# Allegro board MB1219_REVB_160112.brd (continued)
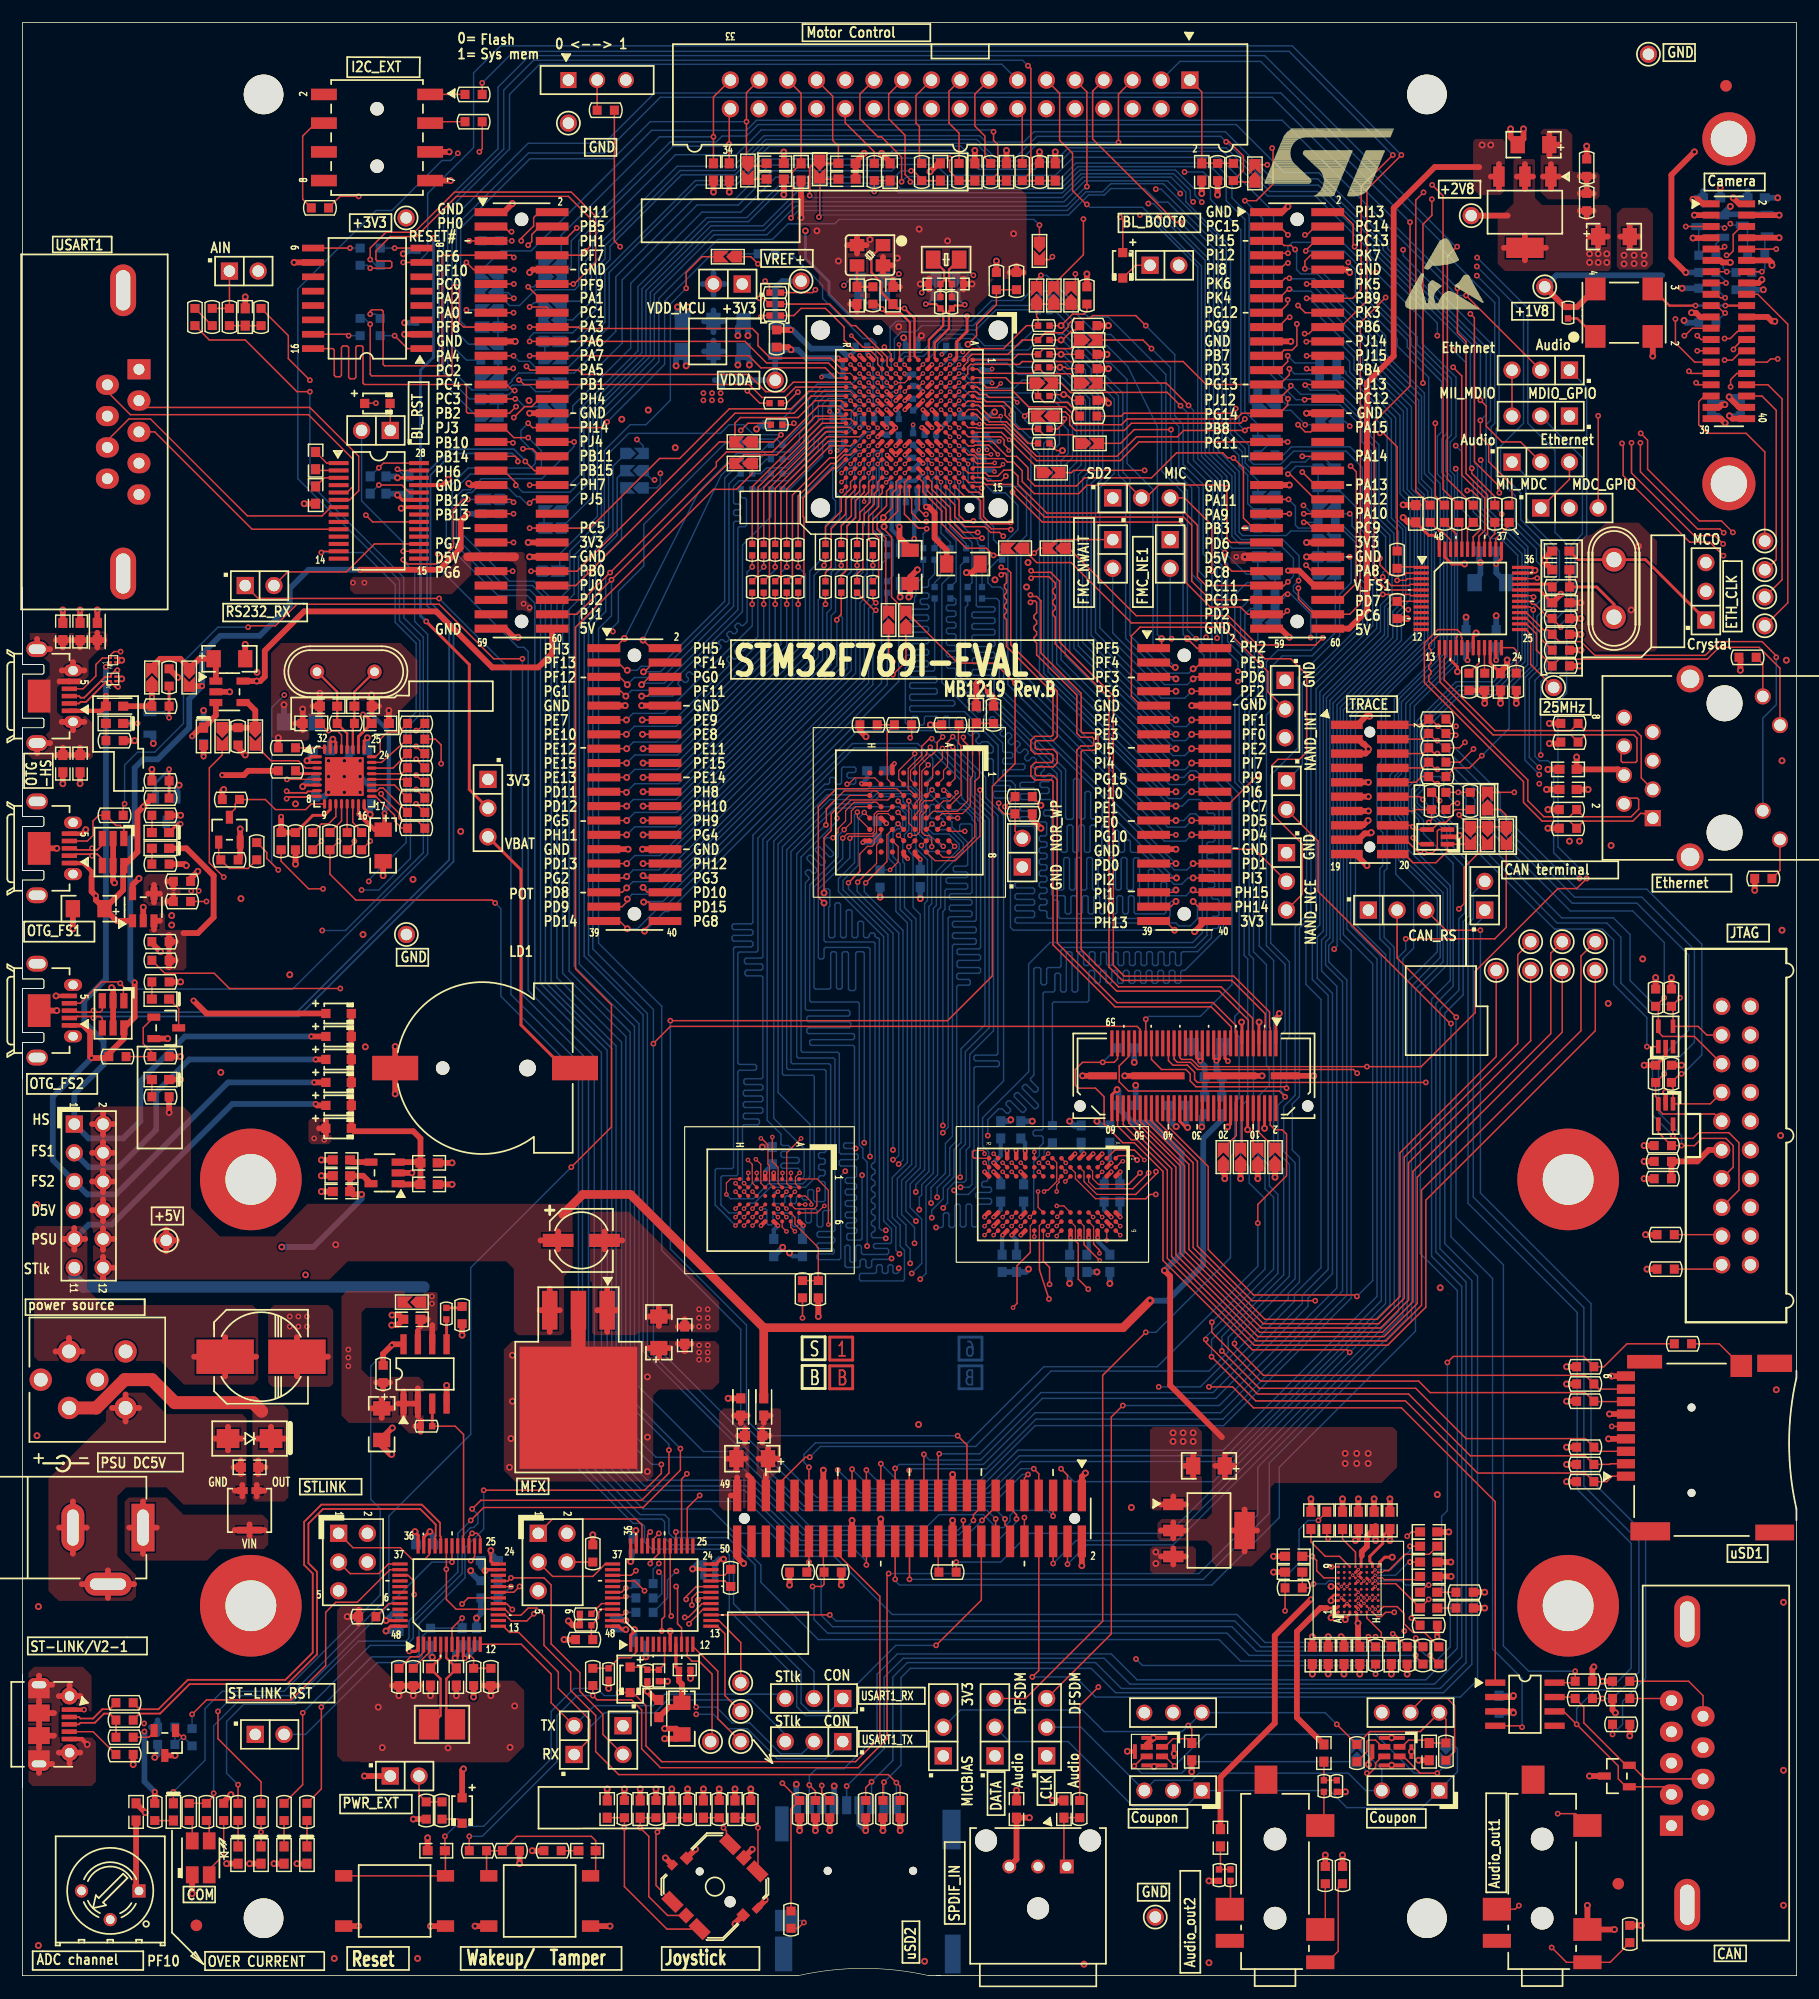
[diagram p0: board, top side]
## Placement (name value [footprint] x y rotation side) (continued)
D13  ZEN056V130A24LS  [TYCO_ZEN056V130A24LS]  20.07 41.15 90 top
D14  BAT60JFILM  [SOD-323]  53.72 26.16 270 top
D15  ESDCAN24-2BLY  [SOT-23]  140.97 17.65 90 top
D16  BAT60JFILM  [SOD-323]  38.86 14.61 270 top
H1  POSITION HOLE  [HOLE_C9D4R5]  20.18 70.42 0 top
H2  POSITION HOLE  [HOLE_C9D4R5]  136.66 70.42 0 top
H3  POSITION HOLE  [HOLE_C9D4R5]  20.18 32.71 0 top
H4  POSITION HOLE  [HOLE_C9D4R5]  136.66 32.71 0 top
JP1  -  [SIP2]  99.69 151.26 0 top
JP2  -  [SIP2]  63.63 149.61 180 top
JP3  -  [SIP3]  136.78 141.99 180 top
JP4  -  [SIP3]  136.78 137.92 180 top
JP5  -  [SIP2]  32.51 136.65 180 top
JP6  -  [SIP3]  131.7 133.86 0 top
JP7  -  [SIP3]  96.39 130.68 0 top
JP8  -  [SIP3]  134.24 129.79 0 top
JP9  -  [SIP2]  96.39 127 270 top
JP10  -  [SIP2]  101.47 127 270 top
JP11  -  [SIP2]  19.68 122.94 0 top
JP12  -  [SIP3]  148.84 119.89 90 top
JP13  -  [SIP3]  111.63 114.55 270 top
JP14  -  [SIP2]  111.76 105.66 270 top
JP15  -  [SIP3]  41.15 105.79 270 top
JP16  -  [SIP2]  88.39 98.04 90 top
JP17  -  [SIP3]  111.76 99.31 270 top
JP18  -  [SIP2]  129.29 94.23 90 top
JP19  -  [SIP3]  119 94.23 0 top
JP20  Header 6X2  [HDR_2X6_2R54]  4.57 75.31 270 top
JP21  -  [SIP3]  72.52 24.51 180 top
JP22  -  [SIP3]  81.41 19.43 90 top
JP23  -  [SIP3]  85.98 19.43 90 top
JP24  -  [SIP3]  90.55 19.43 90 top
JP25  [N_A]  [SIP2]  53.09 22.1 270 top
JP26  -  [SIP3]  72.52 20.7 180 top
JP27  -  [SIP2]  32.51 17.65 0 top
JP28  -  [SIP2]  20.57 21.34 0 top
L1  EXC-3BP121H[BEAD]  [0603L]  6.6 118.87 270 top
L2  EXC-3BP121H[BEAD]  [0603L]  8.13 112.27 180 top
L3  BNX002-01  [BNX001]  6.6 52.7 180 top
L4  BEAD(FCM1608KF-601T03)  [0603L]  63.5 50.29 270 top
L5  BEAD(FCM1608KF-601T03)  [0603L]  65.53 50.29 270 top
L6  Ferrite  [0603L]  56.26 23.62 270 top
L7  BEAD(FCM1608KF-601T03)  [0603L]  62.61 141.1 0 bottom
L8  BEAD(FCM1608KF-601T03)  [0603L]  106.05 76.96 90 bottom
L9  BEAD(FCM1608KF-601T03)  [0603L]  104.52 76.96 90 bottom
LD1  Green  [0603D]  25.15 10.67 90 top
LD2  Orange  [0603D]  23.11 10.67 90 top
LD3  Red  [0603D]  21.08 10.67 90 top
LD4  Blue  [0603D]  19.05 10.67 90 top
LD5  Green  [0603D]  8.13 110.74 0 top
LD6  Red  [0603D]  16 109.6 90 top
LD7  Green  [0603D]  12.19 101.09 0 top
LD8  Red  [0603D]  12.19 99.69 0 top
LD9  Green  [0603D]  12.19 86.36 0 top
LD10  red  [0603D]  12.19 79.25 0 top
LD11  Red  [0603D]  13.34 14.48 90 top
LD12  HSMF-A201-A00J1  [LED2_3528]  15.75 10.41 0 top
NOREF  -  []  72.13 54.69 0 top
NOREF#2  -  []  0 0 0 top
NOREF#3  -  []  322.2 176.15 0 top
NOREF#4  -  []  283.34 118.87 0 top
NOREF#5  -  [unnamed#2]  141.1 8.13 0 top
NOREF#6  -  [unnamed#3]  21.31 166.37 0 top
NOREF#7  -  []  12.32 228.5 0 top
NOREF#8  -  [unnamed#2]  15.37 4.45 0 top
NOREF#9  -  [unnamed#3]  21.31 5.08 0 top
NOREF#10  -  [unnamed#3]  124.18 166.37 0 top
NOREF#11  -  [unnamed#3]  124.18 5.08 0 top
NOREF#12  -  []  13.59 -41.66 0 top
NOREF#13  -  []  72.13 52.15 0 top
NOREF#14  -  []  450.6 -120.4 0 top
NOREF#15  -  [unnamed#2]  150.62 167.13 0 top
NOREF#16  -  [unnamed#2]  141.1 8.13 180 bottom
NOREF#17  -  [unnamed#2]  15.37 4.45 180 bottom
NOREF#18  -  [unnamed#2]  150.62 167.13 180 bottom
R3  0  [0603R]  39.88 166.37 180 top
R4  10K  [0603R]  51.56 164.97 180 top
R5  0  [0603R]  39.88 163.96 180 top
R6  150  [0603R]  138.3 159.89 90 top
R7  0  [0603R]  75.31 159.51 270 top
R8  0  [0603R]  79.5 159.51 90 top
R9  0  [0603R]  82.8 159.51 90 top
R10  0  [0603R]  85.6 159.51 90 top
R11  0  [0603R]  88.39 159.51 270 top
R12  100K  [0603R]  89.92 159.51 90 top
R13  3K3  [0603R]  105.66 159.51 270 top
R14  [N_A]  [0603R]  107.06 159.51 270 top
R15  120  [0603R]  138.3 156.84 90 top
R16  0  [0603R]  26.29 156.34 0 top
R17  10K  [0603R]  86.11 149.86 90 top
R18  [N_A]  [0603R]  87.88 149.86 90 top
R19  33  [0402R]  66.55 148.84 180 top
R20  0  [0603R]  75.18 148.59 90 top
R21  220K  [0603R]  94.11 148.59 270 top
R22  0  [0402R]  81.15 147.96 270 top
R23  0  [0402R]  82.17 147.96 270 top
R24  33  [0402R]  66.55 147.83 180 top
R25  10K  [0402R]  136.65 147.07 90 top
R26  33  [0402R]  66.55 146.81 180 top
R27  0  [0603R]  15.24 146.69 270 top
R28  47  [0603R]  16.76 146.69 270 top
R29  0  [0603R]  18.29 146.69 90 top
R30  0  [0603R]  21.08 146.69 90 top
R31  33  [0402R]  90.3 145.92 0 top
R32  220K  [0603R]  94.23 145.92 180 top
R33  0  [0603R]  66.67 144.78 90 top
R34  33  [0402R]  90.3 144.65 0 top
R35  33  [0402R]  90.3 143.38 0 top
R36  220K  [0603R]  94.23 143.38 180 top
R37  33  [0402R]  90.3 142.24 0 top
R38  220K  [0603R]  94.23 142.11 180 top
R39  33[N_A]  [0402R]  90.3 139.7 0 top
R40  220K  [0603R]  94.23 139.32 180 top
R41  33  [0402R]  66.55 139.06 180 top
R42  33  [0603R]  94.23 137.92 180 top
R43  33  [0402R]  66.67 137.16 180 top
R44  33  [0402R]  90.3 136.78 0 top
R45  33  [0402R]  90.3 135.51 0 top
R46  33  [0603R]  124.46 129.29 90 top
R47  33  [0603R]  125.73 129.29 90 top
R48  33  [0603R]  127 129.29 90 top
R49  33  [0603R]  128.27 129.29 90 top
R50  33  [0603R]  130.18 129.29 90 top
R51  33  [0603R]  131.44 129.29 90 top
R52  33  [0402R]  64.52 126.11 270 top
R53  33  [0402R]  65.53 126.11 270 top
R54  33  [0402R]  66.55 126.11 270 top
R55  33  [0402R]  67.56 126.11 270 top
R56  33  [0402R]  68.58 126.11 270 top
R57  33  [0402R]  70.99 126.11 90 top
R58  33  [0402R]  72.39 126.11 90 top
R59  33  [0402R]  73.79 126.11 90 top
R60  33  [0402R]  75.18 126.11 270 top
R61  33  [0603R]  121.54 125.22 90 top
R62  33  [0402R]  64.52 122.81 270 top
R63  33  [0402R]  65.53 122.81 270 top
R64  33  [0402R]  66.55 122.81 270 top
R65  33  [0402R]  67.56 122.81 270 top
R66  33  [0402R]  68.58 122.81 270 top
R67  33  [0402R]  70.99 122.81 90 top
R68  33  [0402R]  72.39 122.81 90 top
R69  33  [0402R]  73.79 122.81 270 top
R70  33  [0402R]  75.18 122.81 270 top
R71  0  [0603R]  136.02 122.81 0 top
R72  10K  [0603R]  121.54 120.78 90 top
R73  1K5  [0603R]  136.02 120.02 0 top
R74  2K2  [0603R]  136.02 118.62 0 top
R75  2K2  [0603R]  136.02 117.22 0 top
R76  240  [0603R]  152.53 116.59 180 top
R77  2K2  [0603R]  136.02 115.82 0 top
R78  22K  [0603R]  12.95 114.81 270 top
R79  2K2  [0603R]  127.89 114.43 270 top
R80  2K2  [0603R]  129.29 114.43 270 top
R81  4.87K  [0603R]  132.08 114.43 90 top
R82  47K  [0603R]  12.19 112.27 180 top
R83  10K  [0603R]  85.85 111.51 270 top
R84  22  [0603R]  125.09 111.12 0 top
R85  1M  [0603R]  28.57 110.74 180 top
R86  0  [0603R]  34.8 110.74 0 top
R87  50  [0603R]  136.78 110.74 0 top
R88  10K  [0603R]  74.8 110.62 180 top
R89  0  [0603R]  77.85 110.62 0 top
R90  10K  [0603R]  82.04 110.62 180 top
R91  22  [0603R]  125.09 109.86 0 top
R92  10K  [0603R]  19.05 109.6 90 top
R93  0  [0603R]  34.8 109.35 0 top
R94  330  [0603R]  8.13 109.22 0 top
R95  50  [0603R]  136.78 109.09 0 top
R96  12K[1%]  [0603R]  23.37 108.58 0 top
R97  22  [0603R]  125.09 108.58 0 top
R98  0  [0603R]  34.8 108.08 0 top
R99  22  [0603R]  125.09 107.31 0 top
R100  0  [0603R]  34.8 106.81 0 top
R101  820  [0603R]  23.37 106.55 180 top
R102  22  [0603R]  125.09 106.05 0 top
R103  22K  [0603R]  12.19 105.66 0 top
R104  0  [0603R]  34.8 105.54 0 top
R105  0  [0603R]  88.52 104.27 0 top
R106  47K  [0603R]  12.19 104.14 0 top
R107  0  [0603R]  34.8 104.14 0 top
R108  4K7  [0603R]  18.41 104.01 0 top
R109  [N_A]  [0603R]  124.59 103.89 90 top
R110  22  [0603R]  125.86 103.89 270 top
R111  [N_A]  [0603R]  128.02 103.89 90 top
R112  50  [0603R]  136.65 103.12 0 top
R113  0  [0603R]  34.8 102.87 0 top
R114  10K  [0603R]  88.52 102.74 0 top
R115  0  [0603R]  8.13 102.62 0 top
R116  330  [0603R]  12.19 102.62 0 top
R117  0  [0603R]  34.8 101.47 0 top
R118  50  [0603R]  136.65 101.47 0 top
R119  0  [0603R]  22.86 100.33 90 top
R120  3K3  [0603R]  24.13 100.33 90 top
R121  0  [0603R]  25.65 100.33 270 top
R122  0  [0603R]  27.18 100.33 270 top
R123  0  [0603R]  28.7 100.33 270 top
R124  33  [0603R]  29.97 100.33 270 top
R125  1K  [0603R]  20.7 99.44 90 top
R126  4K7  [0603R]  18.29 98.68 180 top
R127  620  [0603R]  12.19 98.3 0 top
R128  240  [0603R]  153.92 97.03 180 top
R129  10K  [0603R]  14.1 96.77 180 top
R130  0  [0603R]  14.1 95 0 top
R131  47K  [0603R]  12.19 91.44 0 top
R132  0  [0603R]  12.19 89.79 0 top
R133  330  [0603R]  12.19 87.88 0 top
R134  [N_A]  [0603R]  144.4 86.49 90 top
R135  [N_A]  [0603R]  145.8 86.49 90 top
R136  47K  [0603R]  8.38 81.28 0 top
R137  22K  [0603R]  12.19 81.28 180 top
R138  [N_A]  [0603R]  144.4 79.76 270 top
R139  [N_A]  [0603R]  145.8 79.76 90 top
R140  820  [0603R]  12.19 77.72 0 top
R141  [N_A]  [0603R]  145.03 73.41 180 top
R142  [N_A]  [0603R]  145.03 72.01 180 top
R143  10K  [0603R]  145.03 70.48 0 top
R144  10K  [0603R]  145.29 65.53 0 top
R145  10K  [0603R]  145.29 62.48 0 top
R146  0  [0603R]  68.96 60.71 270 top
R147  10K  [0603R]  70.36 60.71 270 top
R148  2K2  [0402R]  37.47 58.55 270 top
R149  0  [0603R]  38.86 58.42 90 top
R150  0  [0603R]  146.81 55.88 0 top
R151  10K[N_A]  [0603R]  138.18 53.85 180 top
R152  100K  [0603R]  31.88 53.21 90 top
R153  47K  [0603R]  138.18 52.32 0 top
R154  47K  [0603R]  138.18 50.8 0 top
R155  10K  [0402R]  35.71 48.59 0 top
R156  47K  [0603R]  138.18 46.74 0 top
R157  47K  [0603R]  138.18 45.21 0 top
R158  47K  [0603R]  138.18 43.69 0 top
R159  0  [0603R]  50.42 37.34 270 top
R160  1K5  [0603R]  68.58 35.69 0 top
R161  1K5  [0603R]  71.63 35.69 180 top
R162  0  [0603R]  81.79 35.69 0 top
R163  [N_A]  [0603R]  62.61 35.18 90 top
R164  2K2  [0603R]  112.39 34.29 0 top
R165  20  [0603R]  127.51 33.91 0 top
R166  20  [0603R]  127.51 32.51 0 top
R167  510  [0402R]  49.78 32 180 top
R168  100K  [0603R]  30.48 31.75 0 top
R169  10K  [0402R]  49.78 30.99 180 top
R170  4K7  [0603R]  124.33 30.99 0 top
R171  [N_A]  [0603R]  49.66 29.72 180 top
R172  0  [0603R]  119.63 28.32 270 top
R173  [N_A]  [0603R]  122.43 28.32 90 top
R174  0  [0603R]  123.83 28.32 90 top
R175  0  [0603R]  125.22 28.32 90 top
R176  47K[N_A]  [0402R]  51.82 26.67 90 top
R177  10K[N_A]  [0402R]  55.24 26.54 270 top
R178  10K  [0603R]  33.27 26.42 90 top
R179  [N_A]  [0603R]  34.54 26.42 90 top
R180  4K7  [0603R]  39.88 26.42 90 top
R181  4K7  [0603R]  41.4 26.42 90 top
R182  0  [0603R]  50.42 26.42 270 top
R183  10K  [0603R]  138.05 26.04 0 top
R184  [N_A]  [0603R]  141.35 26.04 0 top
R185  120  [0603R]  138.05 24.51 0 top
R186  0  [0603R]  141.35 24.51 0 top
R187  0  [0603R]  9.02 24.13 0 top
R188  0  [0603R]  9.02 22.61 0 top
R189  0  [0603R]  141.35 22.23 0 top
R190  1K5  [0603R]  9.02 21.08 0 top
R191  10K  [0603R]  125.86 19.81 90 top
R192  10K  [0603R]  117.98 19.68 90 top
R193  180  [0402R]  115.06 16.76 270 top
R194  1K  [0402R]  116.2 16.76 270 top
R195  10K[N_A]  [0603R]  53.21 14.73 270 top
R196  10K[N_A]  [0603R]  56.01 14.73 270 top
R197  10K[N_A]  [0603R]  58.8 14.73 270 top
R198  10K[N_A]  [0603R]  61.59 14.73 270 top
R199  10K[N_A]  [0603R]  64.39 14.73 270 top
R200  10K[N_A]  [0603R]  68.71 14.73 270 top
R201  47K  [0603R]  70.1 14.73 90 top
R202  47K  [0603R]  71.37 14.73 90 top
R203  47K  [0603R]  74.55 14.73 90 top
R204  47K  [0603R]  76.07 14.73 90 top
R205  47K  [0603R]  77.6 14.73 90 top
R206  0  [0603R]  93.47 14.73 270 top
R207  4K7  [0603R]  35.69 14.61 270 top
R208  2K7  [0603R]  37.08 14.61 90 top
R209  1K  [0603R]  11.68 14.48 270 top
R210  100  [0603R]  14.73 14.48 270 top
R211  100  [0603R]  16.26 14.48 270 top
R212  0  [0603R]  17.78 14.48 90 top
R213  680  [0603R]  19.05 14.48 270 top
R214  680  [0603R]  21.08 14.48 270 top
R215  680  [0603R]  23.11 14.48 270 top
R216  510  [0603R]  25.15 14.48 270 top
R217  330  [0603R]  40.26 11.05 180 top
R218  220K  [0603R]  43.18 11.05 0 top
R219  100  [0603R]  46.86 11.05 0 top
R220  1K  [0402R]  105.79 8.89 90 top
R221  180  [0402R]  106.81 8.89 90 top
R222  0  [0603R]  115.19 8.89 90 top
R223  0  [0603R]  116.71 8.89 90 top
R224  0  [0603R]  67.94 4.95 270 top
R225  [N_A]  [0603R]  142.11 3.68 270 top
R226  820  [0603R]  41.4 153.42 180 bottom
R227  [N_A]  [0603R]  153.29 152.27 0 bottom
R228  0  [0603R]  65.79 152.27 0 bottom
R229  [N_A]  [0603R]  148.97 152.15 0 bottom
R230  10K  [0402R]  34.92 152.02 270 bottom
R231  33  [0603R]  31.62 152.02 270 bottom
R232  33  [0603R]  29.84 152.02 90 bottom
R233  10K  [0603R]  148.97 150.62 0 bottom
R234  4K7  [0603R]  152.91 149.86 270 bottom
R235  4K7  [0603R]  151.51 149.86 270 bottom
R236  [N_A]  [0603R]  148.97 149.22 180 bottom
R237  33  [0402R]  90.3 148.46 0 bottom
R238  33  [0402R]  90.3 147.19 0 bottom
R239  [N_A]  [0603R]  148.97 146.18 180 bottom
R240  33  [0402R]  90.3 145.92 0 bottom
R241  33  [0603R]  31.62 145.8 90 bottom
R242  33  [0603R]  29.84 145.8 270 bottom
R243  33  [0402R]  90.3 144.65 0 bottom
R244  33  [0402R]  90.3 143.38 0 bottom
R245  33  [0603R]  41.27 142.88 180 bottom
R246  33  [0603R]  115.44 142.62 180 bottom
R247  33  [0402R]  90.3 142.24 0 bottom
R248  33  [0603R]  115.44 141.35 0 bottom
R249  33  [0603R]  109.98 140.08 180 bottom
R250  33  [0402R]  90.3 139.7 180 bottom
R251  33  [0402R]  90.3 138.3 180 bottom
R252  33  [0402R]  90.3 137.16 180 bottom
R253  10K  [0603R]  66.55 137.16 0 bottom
R254  33  [0402R]  90.3 136.02 180 bottom
R255  33  [0402R]  66.67 135.38 0 bottom
R256  33  [0603R]  109.98 134.49 0 bottom
R257  33  [0402R]  66.67 134.11 180 bottom
R258  33  [0402R]  64.01 134.11 0 bottom
R259  33  [0402R]  66.67 132.84 180 bottom
R260  33  [0402R]  64.01 132.84 180 bottom
R261  33  [0402R]  66.67 131.44 180 bottom
R262  33  [0402R]  64.01 131.44 180 bottom
R263  [N_A]  [0603R]  41.4 129.29 0 bottom
R264  0  [0603R]  115.32 128.65 180 bottom
R265  10K  [0603R]  109.98 128.02 180 bottom
R266  33  [0402R]  76.45 126.11 270 bottom
R267  33  [0402R]  75.18 126.11 270 bottom
R268  33  [0402R]  73.79 126.11 270 bottom
R269  33  [0402R]  72.39 126.11 270 bottom
R270  33  [0402R]  70.99 126.11 90 bottom
R271  33  [0402R]  68.58 126.11 270 bottom
R272  33  [0402R]  86.61 125.73 270 bottom
R273  33  [0402R]  84.84 125.73 90 bottom
R274  33  [0402R]  83.44 125.73 90 bottom
R275  33  [0402R]  82.04 125.73 90 bottom
R276  33  [0402R]  80.64 125.73 90 bottom
R277  33  [0402R]  79.63 125.73 270 bottom
R278  33  [0402R]  76.45 122.81 270 bottom
R279  33  [0402R]  73.79 122.81 270 bottom
R280  33  [0402R]  72.39 122.81 270 bottom
R281  33  [0402R]  70.99 122.81 270 bottom
R282  0  [0603R]  109.98 122.43 0 bottom
R283  33  [0402R]  84.84 122.3 270 bottom
R284  33  [0402R]  83.57 122.3 90 bottom
R285  33  [0402R]  82.04 122.3 90 bottom
R286  33  [0402R]  80.64 122.3 90 bottom
R287  0  [0603R]  109.98 120.9 0 bottom
R288  620  [0603R]  16 109.73 90 bottom
R289  10K  [0603R]  75.82 97.03 270 bottom
R290  10K  [0603R]  97.54 82.04 0 bottom
R291  0  [0603R]  91.06 74.42 90 bottom
R292  [N_A]  [0603R]  41.27 34.92 0 bottom
R293  0  [0603R]  54.99 34.67 180 bottom
R294  0  [0603R]  54.99 33.4 180 bottom
R295  100K  [0603R]  41.27 33.4 0 bottom
R296  0  [0603R]  54.99 32.13 180 bottom
R297  100K  [0603R]  36.07 29.97 270 bottom
R298  10K  [0603R]  12.7 21.97 180 bottom
R299  100  [0603R]  14.99 21.08 90 bottom
R300  36K  [0603R]  12.7 20.45 0 bottom
R301  100K  [0603R]  9.02 19.56 0 top
RV1  3386P-103(10K)  [3386P]  7.75 7.49 180 top
SB1  Open  [SB_0603]  70.48 159.77 90 top
SB2  Open  [SB_0603]  64.14 159.64 90 top
SB3  Closed  [SB_0603]  108.97 159.38 270 top
SB4  Closed  [SB_0603]  89.92 152.53 90 top
SB5  Open  [SB_0603]  62.36 152.02 0 top
SB6  Closed  [SB_0603]  89.66 148.59 270 top
SB7  Closed  [SB_0603]  91.19 148.59 270 top
SB8  Closed  [SB_0603]  92.71 148.59 270 top
SB9  Closed  [SB_0603]  94.23 144.65 180 top
SB10  Closed  [SB_0603]  90.3 140.84 180 top
SB11  Closed  [SB_0603]  94.23 140.84 180 top
SB12  Open  [SB_0603]  90.42 137.92 0 top
SB13  Closed  [SB_0603]  63.75 135.64 0 top
SB14  Open  [SB_0603]  94.36 135.51 180 top
SB15  Closed  [SB_0603]  63.75 133.73 0 top
SB16  Open  [SB_0603]  90.93 132.92 180 top
SB17  Closed  [SB_0603]  87.76 126.24 0 top
SB18  Open  [SB_0603]  91.44 126.24 0 top
SB19  Closed  [SB_0603]  76.58 119.89 270 top
SB20  Closed  [SB_0603]  78.11 119.89 270 top
SB21  Closed  [SB_0603]  11.43 114.81 270 top
SB22  Open  [SB_0603]  14.73 114.81 90 top
SB23  Open  [SB_0603]  17.65 109.6 90 top
SB24  Closed  [SB_0603]  20.57 109.6 90 top
SB25  Closed  [SB_0603]  129.54 103.89 270 top
SB26  Closed  [SB_0603]  128.02 100.84 90 top
SB27  Closed  [SB_0603]  129.54 100.84 90 top
SB28  Closed  [SB_0603]  131.19 100.84 90 top
SB29  Closed  [SB_0603]  106.17 72.39 270 top
SB30  Closed  [SB_0603]  107.7 72.39 270 top
SB31  Closed  [SB_0603]  109.22 72.39 270 top
SB32  Closed  [SB_0603]  110.74 72.39 270 top
SB33  Open  [SB_0603]  34.42 59.56 0 top
SB34  Open  [SB_0603]  46.86 151.76 180 bottom
SB35  Closed  [SB_0603]  41.27 150.5 0 bottom
SB36  Closed  [SB_0603]  46.86 150.24 180 bottom
SB37  Open  [SB_0603]  41.27 148.84 0 bottom
SB38  Open  [SB_0603]  82.42 149.35 90 bottom
SB39  Open  [SB_0603]  80.77 149.35 90 bottom
SB40  Open  [SB_0603]  76.2 149.35 90 bottom
SB41  Open  [SB_0603]  74.04 149.35 90 bottom
SB42  Open  [SB_0603]  46.86 147.96 0 bottom
SB43  Closed  [SB_0603]  41.27 147.32 0 bottom
SB44  Closed  [SB_0603]  46.86 146.43 0 bottom
SB45  Open  [SB_0603]  41.27 145.8 0 bottom
SB46  Open  [SB_0603]  46.86 144.53 180 bottom
SB47  Open  [SB_0603]  41.27 144.27 0 bottom
SB48  Closed  [SB_0603]  46.86 143 180 bottom
SB49  Open  [SB_0603]  41.27 141.6 180 bottom
SB50  Open  [SB_0603]  46.86 140.84 180 bottom
SB51  Open  [SB_0603]  41.27 139.45 180 bottom
SB52  Closed  [SB_0603]  46.84 138.96 0 bottom
SB53  Open  [SB_0603]  109.98 138.56 180 bottom
SB54  Closed  [SB_0603]  41.27 137.92 180 bottom
SB55  Closed  [SB_0603]  115.57 137.44 0 bottom
SB56  Open  [SB_0603]  46.84 137.44 0 bottom
SB57  Open  [SB_0603]  109.98 135.76 180 bottom
SB58  Open  [SB_0603]  63.88 135.51 180 bottom
SB59  Closed  [SB_0603]  54.1 134.62 180 bottom
SB60  Open  [SB_0603]  115.32 133.22 180 bottom
SB61  Open  [SB_0603]  54.1 133.1 0 bottom
SB62  Closed  [SB_0603]  115.32 131.7 180 bottom
SB63  Open  [SB_0603]  54.1 131.57 0 bottom
SB64  Open  [SB_0603]  109.98 130.81 0 bottom
SB65  Open  [SB_0603]  41.4 130.56 0 bottom
SB66  Closed  [SB_0603]  115.32 130.18 180 bottom
SB67  Open  [SB_0603]  46.86 129.54 0 bottom
SB68  Closed  [SB_0603]  109.98 129.29 0 bottom
SB69  Closed  [SB_0603]  46.86 128.02 0 bottom
SB70  Open  [SB_0603]  115.32 127 180 bottom
SB71  Closed  [SB_0603]  115.32 125.48 180 bottom
SB72  Open  [SB_0603]  109.98 125.48 0 bottom
SB73  Open  [SB_0603]  46.74 124.21 180 bottom
SB74  Open  [SB_0603]  115.32 123.95 180 bottom
SB75  Closed  [SB_0603]  109.98 123.95 0 bottom
SB76  Closed  [SB_0603]  109.98 119.63 0 bottom
SB78  Closed  [SB_0603]  125.86 19.68 90 bottom
SB79  Closed  [SB_0603]  117.98 19.68 270 bottom
SW1  09.03290.01  [SW1_3TH_2R54_10X2R5]  48.26 167.64 0 top
T1  9012  [SOT-23]  18.29 101.35 0 top
T2  9013  [SOT-23]  12.7 83.82 270 top
T3  9013  [SOT-23]  12.57 20.57 180 top
T4  BSN20  [SOT-23]  153.16 154.81 270 bottom
T5  BSN20  [SOT-23]  149.22 154.69 270 bottom
T6  9013  [SOT-23]  10.16 110.74 270 bottom
T7  9013  [SOT-23]  12.7 103.12 0 bottom
TP1  Ground  [TP]  143.76 169.93 0 top
TP2  Ground  [TP]  48.26 163.83 0 top
TP3  2V8  [TP]  128.09 155.65 90 top
TP4  +3V3  [TP]  33.91 155.45 90 top
TP5  VREF  [TP]  68.83 149.86 180 top
TP6  1V8  [TP]  134.59 149.35 90 top
TP7  VDDA  [TP]  66.55 141.1 180 top
TP8  mco1  [TP]  154.05 126.87 0 top
TP9  mco1  [TP]  154.05 124.33 0 top
TP10  mco1  [TP]  154.05 121.92 0 top
TP11  mco1  [TP]  154.05 119.38 0 top
TP12  25MHz  [TP]  135.38 113.92 0 top
TP13  Ground  [TP]  33.93 92.08 0 top
TP14  mco1  [TP]  133.35 91.44 0 top
TP15  mco1  [TP]  136.14 91.44 0 top
TP16  mco1  [TP]  139.06 91.44 0 top
TP17  mco1  [TP]  130.3 88.9 0 top
TP18  mco1  [TP]  133.35 88.9 0 top
TP19  mco1  [TP]  136.14 88.9 0 top
TP20  mco1  [TP]  139.06 88.9 0 top
TP21  5V  [TP]  12.7 65.02 0 top
TP22  mco1  [TP]  63.5 25.91 90 top
TP23  mco1  [TP]  63.5 23.37 0 top
TP24  mco1  [TP]  60.83 20.7 0 top
TP25  mco1  [TP]  63.5 20.7 0 top
TP26  Ground  [TP]  100.15 5.18 0 top
U2  LD1117STR  [SOT-223]  132.84 155.96 180 top
U3  MT25QL512ABA8ESF-0SIT  [SOIC16W_1R27_10R3X10R33]  30.48 148.34 90 top
U4  STM32F769NI  [BGA216_0R8_13X13_SKT]  78.41 137.29 270 top
U5  ST3241EBPR  [SSOP28_0R65_10R2X7R8]  31.5 129.54 270 top
U6  DP83848CVV  [LQFP48_0R5_9X9]  128.02 121.79 0 top
U7  STMPS2151STR  [SOT23-5]  18.29 113.54 270 top
U8  USB3300-EZK  [QFN32_0R5_5X5]  28.45 106.05 0 top
U9  PC28F128M29EWLA  [FBGA64_1_11X13]  78.41 102.87 270 top
U10  ESDALC6V1W5  [SOT-353]  125.09 100.71 90 top
U11  STMPS2151STR  [SOT23-5]  10.67 94.49 0 top
U12  ESDALC6V1W5  [SOT-353]  145.29 83.06 0 top
U13  ESDALC6V1W5  [SOT-353]  145.29 76.2 180 top
U14  LD3985M33R  [SOT23-5]  32 70.99 90 top
U15  IS42S32800G-6BLI  [FBGA90_0R8_8X13]  91.06 69.09 270 top
U16  IS61WV102416BLL-10MLI  [BGA48_0R75_9X11]  66.04 68.58 270 top
U17  ST890CDR  [SOIC8_1R27_4R9X6]  35.59 53.21 0 top
U18  LD1086D2M33  [TO263-3]  49.15 53.85 180 top
U19  LD1117S18TR  [SOT-223]  104.9 39.37 270 top
U20  WM8994ECS_R  [BGA72_0R5_4R5X4]  118.11 34.16 90 top
U21  STM32F103CBT6  [LQFP48_0R5_9X9]  37.72 33.66 90 top
U22  STM32L152CCT6  [LQFP48_0R5_9X9]  56.52 33.66 90 top
U23  SN65HVD230  [SOIC8_1R27_4R9X6]  132.84 24 270 top
U24  -  [MP34DT01TR]  100.08 19.81 270 top
U25  -  [MP34DT01TR]  121.08 19.81 270 top
X1  NX3225HA 25MHz EXS00A-CH00343  [XTAL_4SM_3R2X2R5]  74.93 152.15 180 top
X2  NX3215SA-32.768KHZ-EXS00A-MU00525  [XTAL_2SM_3R2X1R5]  81.66 151.76 0 top
X3  SM7745HEX-24.0M[N_A]  [OSC_4SM_7X5]  141.6 147.07 0 top
X4  25MHz (with socket)  [XTAL_SOCKET]  140.72 125.22 90 top
X5  24MHz  [XTAL1]  26.04 115.32 180 top
X6  NX3225GD 8MHz EXS00A-CG04874  [XTAL_2SM_3R2X2R5_H1]  37.08 22.23 180 top
Z1  SMAJ5.0A-TR  [SMA]  20.07 47.5 0 top

## Library data of the parts
B1 B2 = PB10
B3 = SW-JOY
BT1 = BAT_2SM_CR1220
C5 C19 C55 C60 C61 C138 C149 = TAN-A: signal model: DEFAULT_CAPACITOR_1e+07pF_1_2
C6-C10 C12-C14 C18 C24 C48 C49 C52 C100 = 0603C
C11 C15 C25-C27 C32-C34 C36 C39-C45 C50 C51 C54 C56 C59 C62 C68 C75-C78 C80 C87 C88 C95 C97 C99 C101 C102 C116 C117 C131-C133 C136 C139 C140 C142-C148 C150-C169 C171 C174 C176 C177 C179 = 0603C: signal model: DEFAULT_CAPACITOR_100000pF_1_2
C16 = 0603C: signal model: DEFAULT_CAPACITOR_1000pF_1_2
C17 C90-C94 = 0603C: signal model: DEFAULT_CAPACITOR_10000pF_1_2
C20 C21 = 0402C: signal model: DEFAULT_CAPACITOR_10pF_1_2
C22 C23 C84 C85 = 0603C: signal model: DEFAULT_CAPACITOR_20pF_1_2
C28 C31 = 0603C: signal model: DEFAULT_CAPACITOR_22pF_1_2
C29 C137 = 1206C: signal model: DEFAULT_CAPACITOR_2.2e+06pF_2_1
C30 = 1206C
C35 C46 C47 C58 C104 C110 C141 = TAN-A: signal model: DEFAULT_CAPACITOR_4.7e+06pF_1_2
C37 C38 = 0603C: signal model: DEFAULT_CAPACITOR_33pF_1_2
C53 = CAE_5R3X5R3_H5R4: signal model: DEFAULT_CAPACITOR_4.7e+07pF_2_1
C57 = C310M-6: signal model: DEFAULT_CAPACITOR_2.2e+08pF_1_2
C63 C65 C66 C71 C73 C79 C89 C98 = 0603C: signal model: DEFAULT_CAPACITOR_4.7e+06pF_1_2
C64 C67 C69 C81 = 0603C: signal model: DEFAULT_CAPACITOR_1e+06pF_1_2
C70 C72 C74 = 0603C: signal model: DEFAULT_CAPACITOR_2.2e+06pF_1_2
C82 C105-C108 C111-C115 C118-C130 C134 C170 C172 C173 C175 C178 = 0402C: signal model: DEFAULT_CAPACITOR_100000pF_1_2
C83 = 0402C
C86 C103 C109 = TAN-A: signal model: DEFAULT_CAPACITOR_1e+06pF_1_2
C96 = 0603C: signal model: DEFAULT_CAPACITOR_30pF_1_2
C135 = 0402C: signal model: DEFAULT_CAPACITOR_2.2e+06pF_1_2
CN1 = IDC34S
CN2 = SSM-104-L-DH
CN3 CN23 JP1 JP2 JP5 JP9-JP11 JP14 JP16 JP18 JP25 JP27 JP28 = SIP2
CN4 = CLM-120-02-L-D
CN5 CN6 = FTR-130-53-L-D-LC
CN7 CN26 = DB9_M
CN8 CN13 CN14 = MOLEX_47590001
CN9 = RJ45_J0011D01BNL
CN10 CN11 = FTR-120-53-L-D-LC
CN12 = FTSH-110-01-L-DV
CN15 = QSH-030-01-F-D-A
CN16 = IDC20S
CN17 CN30 = MSD_PJS008_
CN18 = FTSH-125-01-F-DV
CN19 = PWR_JACK_DC10
CN20 CN21 = HDR_2X3-1_2R54-6
CN22 = MICRO_USB_B_105017
CN24 CN25 = COUPON
CN27 CN28 = PJ3028B
CN29 = CONN_DLR11H0
D1 D2 D6 D8-D12 D14 D16 = SOD-323
D3 = BGA4_0R4_0R8X0R8
D4 = BGA4_0R4_1X1
D5 D7 = SOT23-6
D13 = TYCO_ZEN056V130A24LS
D15 T1-T7 = SOT-23
H1-H4 = HOLE_C9D4R5
JP3 JP4 JP6-JP8 JP12 JP13 JP15 JP17 JP19 JP21-JP24 JP26 = SIP3
JP20 = HDR_2X6_2R54
L1 L2 L4-L9 = 0603L
L3 = BNX001
LD1-LD11 = 0603D
LD12 = LED2_3528
R3 R5 R7-R11 R14 R16 R20 R27 R29 R30 R33 R71 R85 R86 R89 R93 R98 R100 R104 R105 R107 R108 R113 R115 R117 R119 R121-R123 R126 R130 R132 R146 R149 R150 R159 R162 R172 R174 R175 R182 R186-R189 R206 R212 R222-R224 R228 R229 R264 R282 R287 R291 R293 R294 R296 = 0603R: signal model: DEFAULT_RESISTOR_0.001OHM_1_2
R4 R17 R72 R83 R88 R90 R92 R114 R129 R143-R145 R147 R151 R170 R178 R183 R191 R192 R195-R199 R233 R253 R265 R289 R290 R298 = 0603R: signal model: DEFAULT_RESISTOR_10000OHM_1_2
R6 = 0603R: signal model: DEFAULT_RESISTOR_150OHM_1_2
R12 R152 R168 R295 R297 = 0603R: signal model: DEFAULT_RESISTOR_100000OHM_1_2
R13 R120 = 0603R: signal model: DEFAULT_RESISTOR_3300OHM_1_2
R15 R185 = 0603R: signal model: DEFAULT_RESISTOR_120OHM_1_2
R18 R103 R109 R111 R125 R134 R135 R137-R139 R141 R142 R173 R184 R263 = 0603R: signal model: 0603R_[n/a]
R19 R24 R26 R31 R34 R35 R37 R41 R43-R45 R52-R60 R62-R70 R237 R238 R240 R243 R244 R247 R250-R252 R254 R255 R257-R262 R266-R281 R283-R286 = 0402R: signal model: DEFAULT_RESISTOR_33OHM_1_2
R21 R32 R36 R38 R40 R218 = 0603R: signal model: DEFAULT_RESISTOR_220000OHM_1_2
R22 R23 = 0402R: signal model: DEFAULT_RESISTOR_0.001OHM_1_2
R25 R155 R169 R230 = 0402R: signal model: DEFAULT_RESISTOR_10000OHM_1_2
R28 = 0603R: signal model: DEFAULT_RESISTOR_47OHM_1_2
R39 = 0402R: signal model: 0402R_33
R42 R46-R51 R61 R124 R231 R232 R241 R242 R245 R246 R248 R249 R256 = 0603R: signal model: DEFAULT_RESISTOR_33OHM_1_2
R73 R160 R161 = 0603R: signal model: DEFAULT_RESISTOR_1500OHM_1_2
R74 R75 R77 R79 R80 R164 = 0603R: signal model: DEFAULT_RESISTOR_2200OHM_1_2
R76 R128 = 0603R: signal model: DEFAULT_RESISTOR_240OHM_1_2
R78 = 0603R: signal model: DEFAULT_RESISTOR_22000OHM_1_2
R81 = 0603R: signal model: DEFAULT_RESISTOR_4870OHM_1_2
R82 R106 R131 R136 R153 R154 R156-R158 R201-R205 = 0603R: signal model: DEFAULT_RESISTOR_47000OHM_1_2
R84 R91 R97 R99 R102 R110 = 0603R: signal model: DEFAULT_RESISTOR_22OHM_1_2
R87 R95 R112 R118 = 0603R: signal model: DEFAULT_RESISTOR_50OHM_1_2
R94 R116 R133 R217 = 0603R: signal model: DEFAULT_RESISTOR_330OHM_1_2
R96 R163 R171 R179 R190 R200 R225 R227 R236 R239 R292 R301 = 0603R
R101 R140 R226 = 0603R: signal model: DEFAULT_RESISTOR_820OHM_1_2
R127 R288 = 0603R: signal model: DEFAULT_RESISTOR_620OHM_1_2
R148 = 0402R: signal model: DEFAULT_RESISTOR_2400OHM_1_2
R165 R166 = 0603R: signal model: DEFAULT_RESISTOR_20OHM_1_2
R167 = 0402R: signal model: DEFAULT_RESISTOR_510OHM_1_2
R176 R177 = 0402R
R180 R181 R207 R234 R235 = 0603R: signal model: DEFAULT_RESISTOR_4700OHM_1_2
R193 R221 = 0402R: signal model: DEFAULT_RESISTOR_180OHM_1_2
R194 R220 = 0402R: signal model: DEFAULT_RESISTOR_1000OHM_1_2
R208 = 0603R: signal model: DEFAULT_RESISTOR_2700OHM_1_2
R209 = 0603R: signal model: DEFAULT_RESISTOR_1000OHM_1_2
R210 R211 R219 R299 = 0603R: signal model: DEFAULT_RESISTOR_100OHM_1_2
R213-R215 = 0603R: signal model: DEFAULT_RESISTOR_680OHM_1_2
R216 = 0603R: signal model: DEFAULT_RESISTOR_510OHM_1_2
R300 = 0603R: signal model: DEFAULT_RESISTOR_36000OHM_1_2
RV1 = 3386P
SB1-SB19 SB21-SB76 SB78 SB79 = SB_0603
SB20 = SB_0603: signal model: SB_0603_Closed
SW1 = SW1_3TH_2R54_10X2R5
TP1-TP26 = TP
U2 U19 = SOT-223
U3 = SOIC16W_1R27_10R3X10R33
U4 = BGA216_0R8_13X13_SKT
U5 = SSOP28_0R65_10R2X7R8
U6 U21 U22 = LQFP48_0R5_9X9
U7 U11 U14 = SOT23-5
U8 = QFN32_0R5_5X5
U9 = FBGA64_1_11X13
U10 U12 U13 = SOT-353
U15 = FBGA90_0R8_8X13
U16 = BGA48_0R75_9X11
U17 U23 = SOIC8_1R27_4R9X6
U18 = TO263-3
U20 = BGA72_0R5_4R5X4
U24 U25 = MP34DT01TR
X1 = XTAL_4SM_3R2X2R5
X2 = XTAL_2SM_3R2X1R5
X3 = OSC_4SM_7X5
X4 = XTAL_SOCKET
X5 = XTAL1
X6 = XTAL_2SM_3R2X2R5_H1
Z1 = SMA

## Footprints (pads in the part's own frame, mm; a bottom-side part is the same pattern mirrored in y, then rotated)
0402C
  rect 0.559x0.559 smd: 1(-0.508,0) 2(0.508,0)
0402R
  rect 0.559x0.559 smd: 1(-0.508,0) 2(0.508,0)
0603C
  rect 0.889x0.813 smd: 1(-0.762,0) 2(0.762,0)
0603D
  rect 0.889x0.813 smd: 1(-0.762,0) 2(0.762,0)
0603L
  rect 0.889x0.813 smd: 1(-0.762,0) 2(0.762,0)
0603R
  rect 0.787x0.813 smd: 1(-0.762,0) 2(0.762,0)
1206C
  rect 1.168x1.524 smd: 1(-1.473,0) 2(1.473,0)
3386P
  rect 1.168x1.168 hole 0.762: 1(-2.54,0)
  round 1.168 hole 0.762: 2(0,2.54) 3(2.54,0)
BAT_2SM_CR1220
  round 1.473 hole 1.473 unplated: (-3.75,0)
  round 1.194 hole 1.194 unplated: (3.75,0)
  rect 4.064x2.159 smd: 1(-7.95,0) 2(7.95,0)
BGA4_0R4_0R8X0R8
  round 0.203 smd: A1(-0.2,0.2) A2(0.2,0.2) B1(-0.2,-0.2) B2(0.2,-0.2)
BGA4_0R4_1X1
  round 0.203 smd: A1(-0.2,0.2) A2(0.2,0.2) B1(-0.2,-0.2) B2(0.2,-0.2)
BGA48_0R75_9X11
  round 0.356 smd: A1(-1.875,2.625) A2(-1.125,2.625) A3(-0.375,2.625) A4(0.375,2.625) A5(1.125,2.625) A6(1.875,2.625) B1(-1.875,1.875) B2(-1.125,1.875) B3(-0.375,1.875) B4(0.375,1.875) B5(1.125,1.875) B6(1.875,1.875) C1(-1.875,1.125) C2(-1.125,1.125) C3(-0.375,1.125) C4(0.375,1.125) C5(1.125,1.125) C6(1.875,1.125) D1(-1.875,0.375) D2(-1.125,0.375) D3(-0.375,0.375) D4(0.375,0.375) D5(1.125,0.375) D6(1.875,0.375) E1(-1.875,-0.375) E2(-1.125,-0.375) E3(-0.375,-0.375) E4(0.375,-0.375) E5(1.125,-0.375) E6(1.875,-0.375) F1(-1.875,-1.125) F2(-1.125,-1.125) F3(-0.375,-1.125) F4(0.375,-1.125) F5(1.125,-1.125) F6(1.875,-1.125) G1(-1.875,-1.875) G2(-1.125,-1.875) G3(-0.375,-1.875) G4(0.375,-1.875) G5(1.125,-1.875) G6(1.875,-1.875) H1(-1.875,-2.625) H2(-1.125,-2.625) H3(-0.375,-2.625) H4(0.375,-2.625) H5(1.125,-2.625) H6(1.875,-2.625)
BGA72_0R5_4R5X4
  round 0.249 smd: A1(-2,1.75) A2(-1.5,1.75) A3(-1,1.75) A4(-0.5,1.75) A5(0,1.75) A6(0.5,1.75) A7(1,1.75) A8(1.5,1.75) A9(2,1.75) B1(-2,1.25) B2(-1.5,1.25) B3(-1,1.25) B4(-0.5,1.25) B5(0,1.25) B6(0.5,1.25) B7(1,1.25) B8(1.5,1.25) B9(2,1.25) C1(-2,0.75) C2(-1.5,0.75) C3(-1,0.75) C4(-0.5,0.75) C5(0,0.75) C6(0.5,0.75) C7(1,0.75) C8(1.5,0.75) C9(2,0.75) D1(-2,0.25) D2(-1.5,0.25) D3(-1,0.25) D4(-0.5,0.25) D5(0,0.25) D6(0.5,0.25) D7(1,0.25) D8(1.5,0.25) D9(2,0.25) E1(-2,-0.25) E2(-1.5,-0.25) E3(-1,-0.25) E4(-0.5,-0.25) E5(0,-0.25) E6(0.5,-0.25) E7(1,-0.25) E8(1.5,-0.25) E9(2,-0.25) F1(-2,-0.75) F2(-1.5,-0.75) F3(-1,-0.75) F4(-0.5,-0.75) F5(0,-0.75) F6(0.5,-0.75) F7(1,-0.75) F8(1.5,-0.75) F9(2,-0.75) G1(-2,-1.25) G2(-1.5,-1.25) G3(-1,-1.25) G4(-0.5,-1.25) G5(0,-1.25) G6(0.5,-1.25) G7(1,-1.25) G8(1.5,-1.25) G9(2,-1.25) H1(-2,-1.75) H2(-1.5,-1.75) H3(-1,-1.75) H4(-0.5,-1.75) H5(0,-1.75) H6(0.5,-1.75) H7(1,-1.75) H8(1.5,-1.75) H9(2,-1.75)
BGA216_0R8_13X13_SKT
  round 1.702 hole 1.702 unplated: (-8.237,7.863) (-8.237,-7.863) (7.487,7.863) (7.487,-7.863)
  round 0.85 hole 0.85 unplated: (-8.237,-2.783) (7.487,5.323)
  round 0.406 smd: A1(-5.6,5.6) A2(-4.8,5.6) A3(-4,5.6) A4(-3.2,5.6) A5(-2.4,5.6) A6(-1.6,5.6) A7(-0.8,5.6) A8(0,5.6) A9(0.8,5.6) A10(1.6,5.6) A11(2.4,5.6) A12(3.2,5.6) A13(4,5.6) A14(4.8,5.6) A15(5.6,5.6) B1(-5.6,4.8) B2(-4.8,4.8) B3(-4,4.8) B4(-3.2,4.8) B5(-2.4,4.8) B6(-1.6,4.8) B7(-0.8,4.8) B8(0,4.8) B9(0.8,4.8) B10(1.6,4.8) B11(2.4,4.8) B12(3.2,4.8) B13(4,4.8) B14(4.8,4.8) B15(5.6,4.8) C1(-5.6,4) C2(-4.8,4) C3(-4,4) C4(-3.2,4) C5(-2.4,4) C6(-1.6,4) C7(-0.8,4) C8(0,4) C9(0.8,4) C10(1.6,4) C11(2.4,4) C12(3.2,4) C13(4,4) C14(4.8,4) C15(5.6,4) D1(-5.6,3.2) D2(-4.8,3.2) D3(-4,3.2) D4(-3.2,3.2) D5(-2.4,3.2) D6(-1.6,3.2) D7(-0.8,3.2) D8(0,3.2) D9(0.8,3.2) D10(1.6,3.2) D11(2.4,3.2) D12(3.2,3.2) D13(4,3.2) D14(4.8,3.2) D15(5.6,3.2) E1(-5.6,2.4) E2(-4.8,2.4) E3(-4,2.4) E4(-3.2,2.4) E5(-2.4,2.4) E6(-1.6,2.4) E7(-0.8,2.4) E8(0,2.4) E9(0.8,2.4) E10(1.6,2.4) E11(2.4,2.4) E12(3.2,2.4) E13(4,2.4) E14(4.8,2.4) E15(5.6,2.4) F1(-5.6,1.6) F2(-4.8,1.6) F3(-4,1.6) F4(-3.2,1.6) F5(-2.4,1.6) F6(-1.6,1.6) F7(-0.8,1.6) F8(0,1.6) F9(0.8,1.6) F10(1.6,1.6) F11(2.4,1.6) F12(3.2,1.6) F13(4,1.6) F14(4.8,1.6) F15(5.6,1.6) G1(-5.6,0.8) G2(-4.8,0.8) G3(-4,0.8) G4(-3.2,0.8) G5(-2.4,0.8) G6(-1.6,0.8) G10(1.6,0.8) G11(2.4,0.8) G12(3.2,0.8) G13(4,0.8) G14(4.8,0.8) G15(5.6,0.8) H1(-5.6,0) H2(-4.8,0) H3(-4,0) H4(-3.2,0) H5(-2.4,0) H6(-1.6,0) H10(1.6,0) H11(2.4,0) H12(3.2,0) H13(4,0) H14(4.8,0) H15(5.6,0) J1(-5.6,-0.8) J2(-4.8,-0.8) J3(-4,-0.8) J4(-3.2,-0.8) J5(-2.4,-0.8) J6(-1.6,-0.8) J10(1.6,-0.8) J11(2.4,-0.8) J12(3.2,-0.8) J13(4,-0.8) J14(4.8,-0.8) J15(5.6,-0.8) K1(-5.6,-1.6) K2(-4.8,-1.6) K3(-4,-1.6) K4(-3.2,-1.6) K5(-2.4,-1.6) K6(-1.6,-1.6) K7(-0.8,-1.6) K8(0,-1.6) K9(0.8,-1.6) K10(1.6,-1.6) K11(2.4,-1.6) K12(3.2,-1.6) K13(4,-1.6) K14(4.8,-1.6) K15(5.6,-1.6) L1(-5.6,-2.4) L2(-4.8,-2.4) L3(-4,-2.4) L4(-3.2,-2.4) L5(-2.4,-2.4) L6(-1.6,-2.4) L7(-0.8,-2.4) L8(0,-2.4) L9(0.8,-2.4) L10(1.6,-2.4) L11(2.4,-2.4) L12(3.2,-2.4) L13(4,-2.4) L14(4.8,-2.4) L15(5.6,-2.4) M1(-5.6,-3.2) M2(-4.8,-3.2) M3(-4,-3.2) M4(-3.2,-3.2) M5(-2.4,-3.2) M6(-1.6,-3.2) M7(-0.8,-3.2) M8(0,-3.2) M9(0.8,-3.2) M10(1.6,-3.2) M11(2.4,-3.2) M12(3.2,-3.2) M13(4,-3.2) M14(4.8,-3.2) M15(5.6,-3.2) N1(-5.6,-4) N2(-4.8,-4) N3(-4,-4) N4(-3.2,-4) N5(-2.4,-4) N6(-1.6,-4) N7(-0.8,-4) N8(0,-4) N9(0.8,-4) N10(1.6,-4) N11(2.4,-4) N12(3.2,-4) N13(4,-4) N14(4.8,-4) N15(5.6,-4) P1(-5.6,-4.8) P2(-4.8,-4.8) P3(-4,-4.8) P4(-3.2,-4.8) P5(-2.4,-4.8) P6(-1.6,-4.8) P7(-0.8,-4.8) P8(0,-4.8) P9(0.8,-4.8) P10(1.6,-4.8) P11(2.4,-4.8) P12(3.2,-4.8) P13(4,-4.8) P14(4.8,-4.8) P15(5.6,-4.8) R1(-5.6,-5.6) R2(-4.8,-5.6) R3(-4,-5.6) R4(-3.2,-5.6) R5(-2.4,-5.6) R6(-1.6,-5.6) R7(-0.8,-5.6) R8(0,-5.6) R9(0.8,-5.6) R10(1.6,-5.6) R11(2.4,-5.6) R12(3.2,-5.6) R13(4,-5.6) R14(4.8,-5.6) R15(5.6,-5.6)
